# KiCad board Scopefun_v2.kicad_pcb (continued)
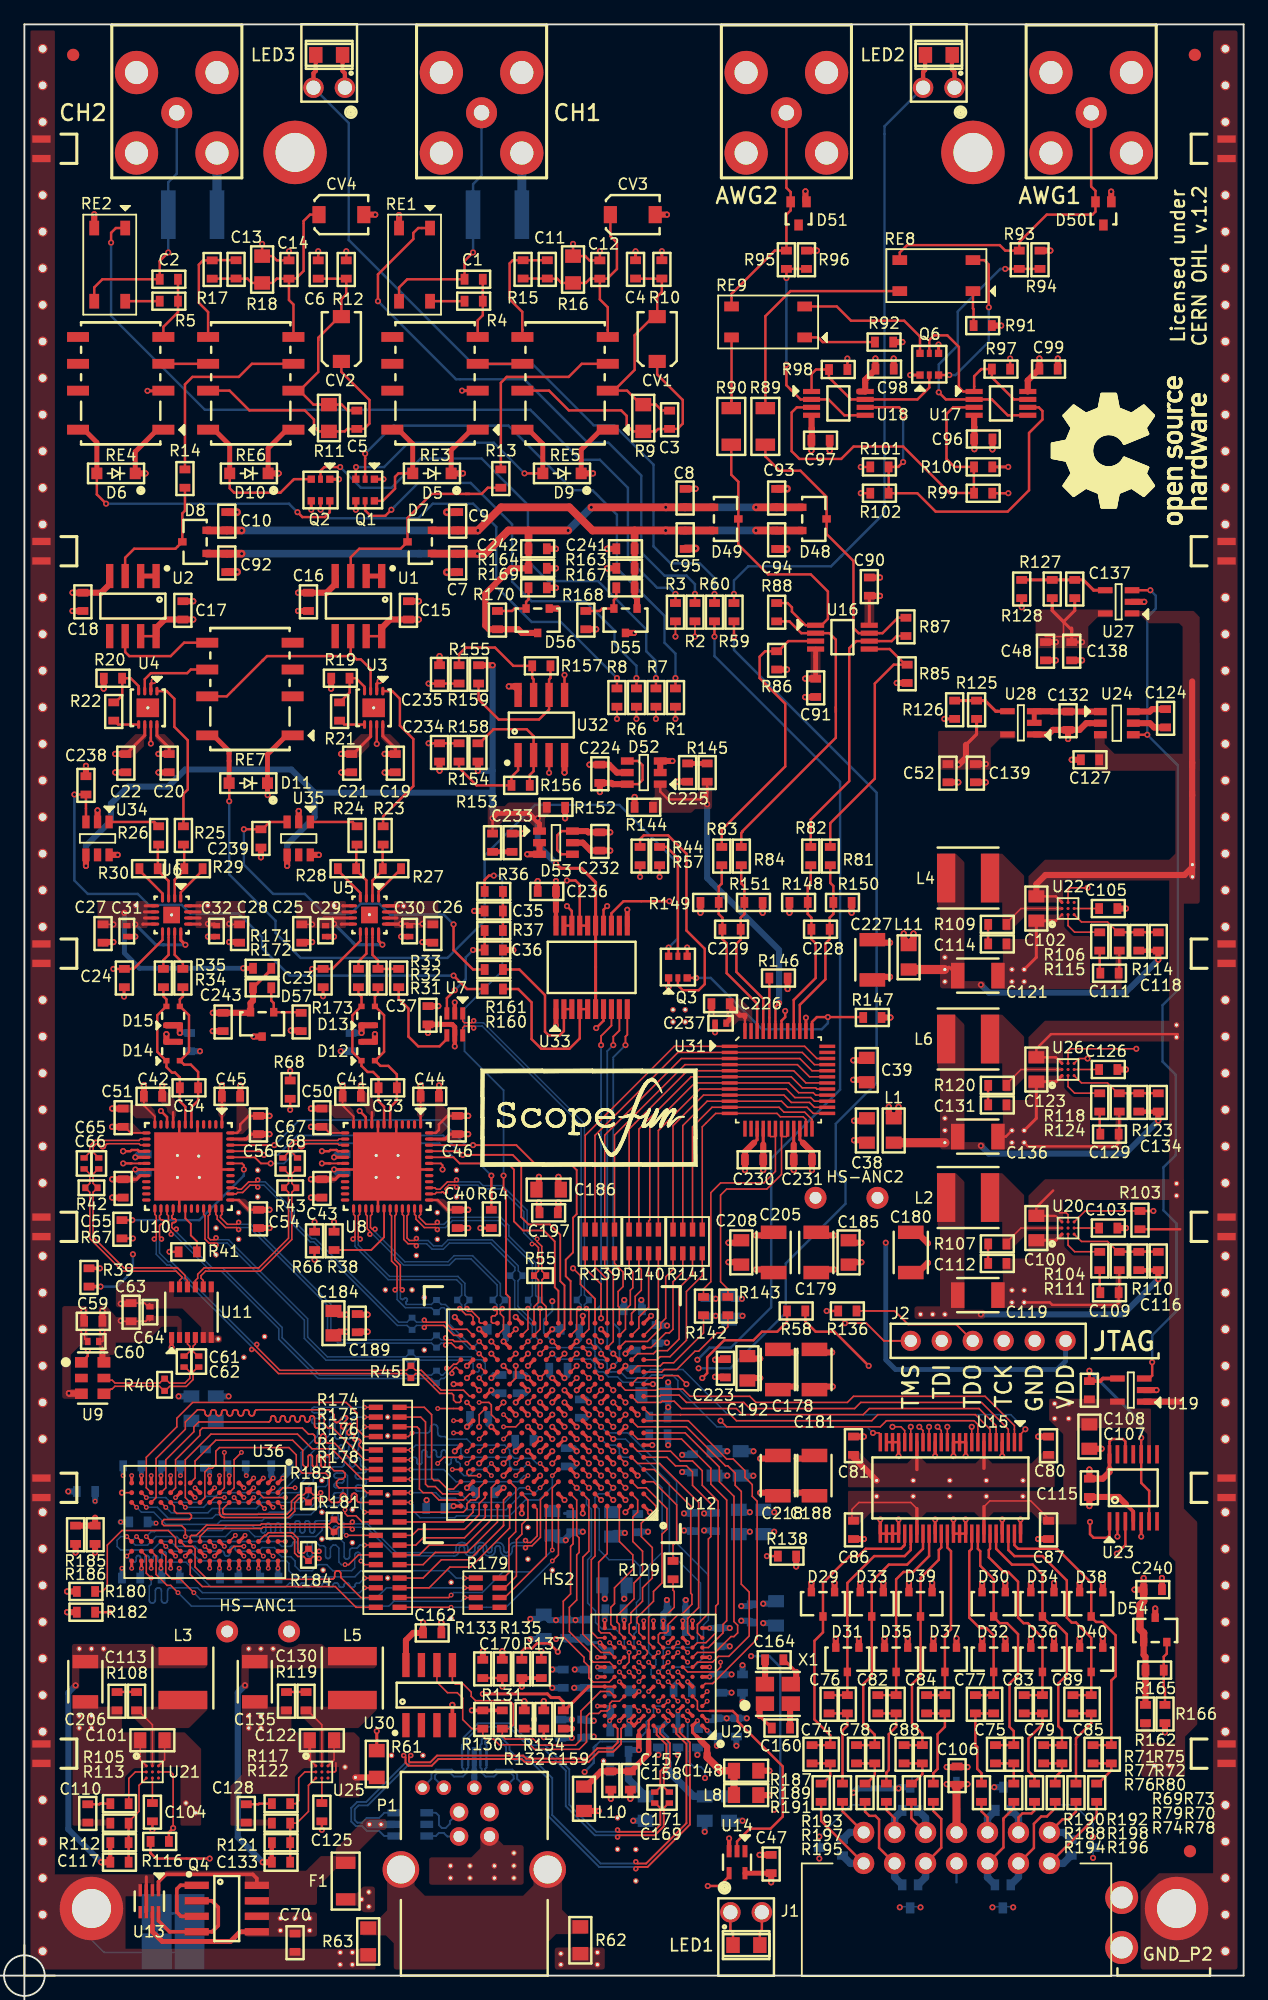
[diagram p0: board, top side]
## Routing (per net, layer and track width the routed paths; a pad name or vN(x,y) marks a point on that pad's centre or on a via; arc(x,y) is an arc through that point) (continued)
+1V5: length 41
  Top w0.25: U36.B2 v2(20.4,40) ; U36.A8 v2(21.4,34.8) ; U36.F1 v2(16.8,41) ; U12.J2 v1(50.3,46) ; U12.F1 v1(51.5,43.5) ; U36.C9 v2(19.2,33.4) ; U36.N9 v2(11.2,33.4) ; U36.N1 v2(11.2,41) ; U36.G7 v2(16.4,35.2) ; U36.A1 v2(21.2,40.8) ; U36.H2 v2(15.6,40) ; U12.D7 v1(45.3,41) ; v2(18.4,33.4) U36.D9 ; U36.R9 v2(9.6,33.4) ; U12.E4 v1(48.3,42) ; U36.D2 v2(18.8,40) ; U36.K8 v2(13.2,34.4) ; U36.C1 v2(19.6,40.8) ; U36.R1 v2(9.6,41) ; U12.B3 v1(49.3,39) ; v1(45.8,37.9) U12.A6 ; v2(15.2,33.4) U36.H9 ; v2(17.6,33.4) U36.E9 ; U36.K2 v2(14,39.2)
  Top w0.35: 7.04,9.3 7.04,10.9
  Top w0.5: 7.04,9.3 v1(6.3,9.3) ; 5.8,35.3 v1(5.8,34.7)
  Bottom w0.25: 45.1,37.86 45.06,37.9 44.3,37.9
  Bottom w0.4: v2(17.6,33.4) 17.6,32.65 ; v2(9.6,41) C249.1 ; 19.35,32.7 19.2,32.85 v2(19.2,33.4) ; 9.5,32.7 9.6,32.8 v2(9.6,33.4) ; v2(11.2,41) 11.2,41.7 C248.1 ; 11.25,32.7 11.2,32.75 v2(11.2,33.4) ; C247.1 16.8,41.65 v2(16.8,41)
  Bottom w0.5: v2(21.2,40.8) 21.75,41.35 C246.1 ; v1(4.2,23.8) 3.6,23.2 3.6,12 v1(6.3,9.3)
+1V8: length 140.9
  Top w0.127: U29.H4 v2(53.6,26.5)
  Top w0.15: U12.M10 v1(42.3,49) U12.M9 ; U12.M11 v1(41.3,49)
  Top w0.2: U10.37 17.6,63.6 18.4,62.8 C54.1 ; 9,65.3 C55.1 ; 37.72,25.9 R133.1 ; v1(8.9,60.45) R67.2 ; U8.37 33.9,63.6 34.7,62.8 C40.1 ; R66.2 v1(23.8,61.8)
  Top w0.25: U10.20 9.5,65.6 9.2,65.3 8.74,65.3 ; U12.J12 v1(40.3,46) ; U12.J10 v1(42.3,46) ; U12.L6 v1(45.3,48) ; U12.B13 v1(39.3,40) ; U29.L9 v2(49.2,29.15) ; U29.C11 v2(47,22.1) ; U12.G8 v1(43.3,45) ; U12.C10 v1(42.3,41) ; U12.M13 v1(38.3,49) ; U12.T11 v1(40.3,54) ; U12.N10 v1(41.3,50) ; 25.04,65.3 25.5,65.3 25.8,65.6 U8.20 ; U12.P7 v1(45.3,52) ; v2(56.2,24.5) U29.F1 56.1,24.5 ; U29.H11 47,26.1 v2(47,26.11) ; U29.B1 v2(56,20.9) ; U12.R14 v1(37.3,53) ; U12.L16 v1(35.2,48.5) ; U12.A16 v1(35.2,38.5) ; U12.E14 v1(37.3,42) ; U12.H15 v1(36.3,45) ; U29.E3 v2(53.6,24.1) ; U12.G10 v1(41.3,45) ; U12.L10 v1(41.3,49) ; U12.K11 v1(40.3,47) ; R64.1 v1(37.4,61.3)
  Top w0.28: U15.7 78.7,41.6 ; U15.18 73.2,41.5
  Top w0.3: 5.35,56.5 v1(6.25,56.5) ; R131.1 R130.1 v1(36.7,21.75) ; R137.1 R135.1
  Top w0.35: 91.4,70.84 93,70.84
  Top w0.5: v1(66.4,60.7) 65.35,60.7 65.1,60.95 ; v1(68.65,60.1) 67.95,60.1 67.75,60.3 ; v1(7.2,65.3) C55.1 8.74,65.3 ; C162.1 31.9,28.1 31.3,27.5 U30.8 ; 43.8,64.65 C186.1 ; v1(23.5,65.3) C43.1 25.04,65.3 ; C54.1 v1(20.1,62.8) ; 25.5,54.5 25.8,54.2 v1(26.4,54.2) ; 27.45,54.25 27.5,54.2 v1(28.15,54.2) ; v1(43.8,65.5) 43.8,64.8 ; VIA#99.1 68,42.5 C81.1 ; L1.1 71.45,68.3 ; v1(43.8,63.4) 43.8,62.7 ; C40.1 v1(36.4,62.8) ; 73.25,60.9 v1(74.1,60.05) ; v1(63.3,33.55) R138.1 ; C180.1 73.15,60.95 ; v1(40.8,23.7) R135.1 ; 37.61,25.9 37.61,26.59 ; v1(47.1,13.5) L10.1 ; 93,70.84 v1(93,70.1) ; 32.7,28.35 v1(32.7,28.95)
  Top w0.75: L1.1 VIA#110.1
  Bottom w0.2: v1(8.9,59.15) 8.9,57.8 7.6,56.5 v1(6.25,56.5)
  Bottom w0.25: 57,24.5 C167.1
  Bottom w0.4: C172.1 53.25,23.75 v2(53.6,24.1) ; J2.6 85.4,50.4 84.7,49.7 71.45,49.7 70.65,50.5 v1(70.65,60.1) ; v2(56,20.9) 56.6,20.9 C174.1
  Bottom w0.45: C167.1 56.4,24.7 v2(56.2,24.5)
  Bottom w0.5: v1(35.2,38.5) 34.8,38.5 34.6,38.3 ; v1(61.5,38) 60.8,38 C183.1 ; 37.85,52.9 37.75,53 v1(37.3,53) ; 45.9,21 46,20.9 v1(46.7,20.9) ; v1(39.3,40) 39,40 38.6,39.6 ; v1(41.3,49) 41.05,49.25 C202.1 ; v1(93,70.1) 90.3,67.4 79.1,67.4 v1(78.45,68.05) ; v1(60.6,28.9) 61.45,28.9 C177.1 ; 56.45,37.95 56.4,37.9 v1(55.75,37.9) ; C175.1 v1(44.9,21) ; v1(59.5,38) 58.8,38 ; C182.1 49.2,31.8 v1(49.2,30.9) ; C167.1 v1(58,24.7) ; 54.8,37.9 v1(54.1,37.9) ; v1(58.9,25.45) C166.1 ; v1(43.3,25.1) C163.1 ; C165.1 v1(45.14,25.1) ; C174.1 v1(57.6,21.1) C173.1 v1(59.25,21.1) ; v1(36.3,45) 36.55,45.25 36.55,45.7 ; 49.2,29.85 49.15,29.9 ; C199.1 45.5,52.2 v1(45.3,52) ; C161.1 49.2,29.95 v2(49.2,29.15) ; v1(38.3,49) 38.55,49.25 C191.1 ; C168.1 59.55,29.1 v1(58.8,29.1)
  vias: v1(37.6,26.6)
+1V8_VA: length 31.3
  Top w0.15: C51.1 8.23,69.6 8.73,69.1 U10.13 ; C50.1 24.53,69.6 25.03,69.1 U8.13 ; 32.5,70.8 C44.1
  Top w0.2: 12.2,70.8 U10.9 ; 28.5,70.8 U8.9 ; U8.1 32.5,70.8 ; U10.1 C45.1
  Top w0.25: C56.1 18.61,69 18.21,68.6 U10.47 ; U10.17 v1(9.1,67.1) ; C46.1 34.91,69 34.51,68.6 U8.47 ; U8.17 v1(25.4,67.1)
  Top w0.5: v1(68.05,70.1) 68.75,70.1 ; 69.05,70.1 69.25,70.3 ; C45.1 v1(16.2,73) ; C56.1 v1(20.1,69) ; v1(11.3,73) C42.1 11.3,71.97 ; C51.1 v1(7.2,69.6) ; C50.1 v1(23.5,69.6) ; v1(70.9,71.25) 70.9,70.75 71.3,70.35 71.7,70.75 v1(71.7,71.25) ; C39.1 68.89,73.45 v1(67.99,73.45) ; C44.1 v1(32.5,73) ; v1(27.6,73) C41.1 27.6,71.97 ; C46.1 v1(36.4,69)
  Bottom w0.5: v1(9.1,67.1) 9.35,67.35 C57.1 ; C49.1 25.65,67.35 v1(25.4,67.1)
+2.88V: length 64.5
  Top w0.127: 61.7,118.5 61.65,118.55
  Top w0.5: D55.1 50.25,112.96 50.05,113.16 R167.1 R163.1 C241.1 50.05,117.89
  Top w0.635: 50.05,117.89 50.05,118.5 ; 50.05,118.5 46.6,118.5 44.7,120.4 39.1,120.4 v1(37.2,118.5) ; 50.05,118.5 v1(52.6,118.5) 56.5,118.5 ; D48.2 61.7,118.5 ; 33.46,118.5 37.16,118.5 ; v1(60,118.5) 61.7,118.5 ; 16.6,118.5 15.01,118.5 ; v1(17.82,118.5) 16.62,118.5
  Bottom w0.635: v1(37.2,118.5) v1(17.82,118.5) ; v1(52.6,118.5) v1(60,118.5)
+3.3V_PD: length 19.3
  Top w0.2: 91.85,24.95 R165.1
  Top w0.5: v1(72.55,32.2) 72.55,31.6 ; v1(86.55,32.2) 86.55,31.6 ; v1(74.55,27.65) 74.55,27.05 ; v1(68.55,32.2) 68.55,31.6 ; v1(78.55,32.2) 78.55,31.6 ; 78.55,27.05 78.56,27.06 v1(78.56,27.65) ; v1(64.55,32.2) 64.55,31.6 ; v1(82.55,27.65) 82.55,27.05 ; 91.95,24.1 R165.1 91.95,26.15 91.8,26.3 D54.1 ; 91.95,24.1 R162.1 ; 91.95,24.1 91.95,23.65 ; v1(66.55,27.65) 66.55,27.05 ; v1(82.55,32.2) 82.55,31.6 ; v1(70.55,27.65) 70.55,27.05 ; v1(91.05,31.65) C240.1 v1(91.8,32.6) ; v1(86.55,27.65) 86.55,27.05
  Top w0.6: D54.1 91.8,28.1 91.5,28.4 91.5,30.4 91.8,30.7 C240.1
+3V3: length 55.3
  Top w0.13: v1(6.4,52.8) 6.45,52.75 6.45,52.05 6.41,52 6.05,52 ; 10.25,53.7 10.3,53.75 C64.1 10.25,53.95 9.95,53.65 C63.1 7.95,53.65 v1(7.9,53.7) ; 6.4,51 6.4,51.56
  Top w0.2: U23.14 89,43.8 89.2,44 90.1,44 90.3,43.8 U23.12
  Top w0.25: U12.M3 v1(49.3,50) ; U12.R4 v1(47.3,53) ; 75.85,82.7 C121.1 ; U12.T1 v1(51.4,54.1)
  Top w0.3: 88.45,40.75 87.6,40.75 ; 89,41.55 U23.14 89,42.1
  Top w0.35: 91.4,84.04 93,84.04 ; 35.3,77 v1(35.3,76.2)
  Top w0.4: 35.08,78 35.3,77.78 U7.5 ; 35.08,78 34.9,78 ; 35.08,78 34,78 ; U14.5 C47.1
  Top w0.45: C37.2 34,78
  Top w0.5: 93,84.04 v1(93,83.3) ; C47.1 v1(61.25,7.65) ; v1(6.4,54.5) 6.4,53.8 ; 33.1,77.9 v1(33.1,77.3) ; v1(57.75,58.5) 58.45,58.5 58.65,58.3 ; v1(87.35,41.5) C115.1 88.45,40.75 89,41.3 89,41.55 ; 61.3,57.65 61.05,57.9 v1(60,57.9) ; v1(6.4,51.1) 6.4,50.41 6.52,50.29
  Top w0.75: L11.2 75.47,82.5
  Bottom w0.5: v1(52.72,53.3) 52.05,53.3 52,53.35 ; C211.1 58.1,54.1 v1(58.9,54.1) 58.15,54.1 ; v1(78.45,81.25) 79.1,80.6 90.3,80.6 v1(93,83.3) ; v1(50.6,55.4) 50.6,54.75 50.65,54.7 ; 58.85,54.1 58.25,54.1 ; v1(49.3,50) 49.55,49.75 C219.1 ; v1(56.7,54.1) 56.05,54.1 56,54.05
+3V3_VA: length 25.4
  Top w0.127: U31.42 62.1,77.9
  Top w0.2: U33.7 47.5,78.3 v1(46.9,77.7) ; U31.48 59.1,78.6 ; U33.14 47.5,87.4 v1(47.8,87.7) ; v1(62.4,79.1) 62.4,78.6 62.1,78.3 62.1,77.9 ; v1(57.9,78.85) 57.9,79.65
  Top w0.25: 60.6,68.15 U31.16 ; U31.22 63.6,68.55 63.9,68.25
  Top w0.35: 43.6,87.3 U33.20
  Top w0.4: C226.1 57.85,79.57 58.67,78.75 59.1,78.75 59.1,78.6 ; v1(57.9,78.85) 57.9,78.45 C237.1
  Top w0.5: v1(72.12,85.45) 72.12,85.05 72.53,84.65 72.92,85.05 v1(72.92,85.45) ; v1(71,84.7) 69.95,84.7 69.7,84.95 ; 63.9,68.25 64.6,67.55 ; 64.6,67.55 63.85,68.3 ; 64.6,67.55 C231.1 ; 43.6,89.05 v1(43.6,89.75) ; C230.1 60.6,68.15 ; C236.1 43.6,87.3 ; 60.6,66.75 v1(60.6,66.05) ; 64.6,66.75 v1(64.6,66.05) ; 70.43,78.57 v1(71.03,78.57)
+VCC_DIG: length 26.7
  Top w0.127: 73.2,38.3 72.7,38.8 68.45,38.8 67.88,38.23 67.88,37.08 ; 78.7,38.45 79.18,38.93 82.54,38.93 84.39,37.08 ; 84.02,37.28 83.89,37.28
  Top w0.2: 76.45,15.6 C106.1
  Top w0.28: 73.2,38.3 U15.31 ; U15.42 78.7,38.45
  Top w0.5: v1(75.65,15.7) 76.3,15.7 ; v1(77.35,15.7) 76.7,15.7
  Top w0.653: J1.7 76.45,15.4
  Bottom w0.5: 76.45,13.53 76.45,11.74
  Bottom w0.6: J1.7 76.45,13.63 D41.1
+VCC_USB_P: length 87.2
  Top w0.127: 25.55,17.45 25.55,16.8 25.45,16.7 U25.B3 ; C122.1 25.4,17.7 U25.A3 ; 84.5,62.3 84.6,62.3 U20.A3 ; C101.1 11.5,17.7 U21.A3 ; 84.9,62.55 85.45,62.55 85.6,62.4 U20.B3
  Top w0.2: R116.1 10.35,10.05 10.8,9.6 v1(15.2,9.6) ; C102.1 84.6,88.5 U22.A3 ; 84.38,64.38 83,63 C100.1 84.5,62.3 ; 94.6,77.2 84.2,77.2 83,76 C123.1 84.6,75.3 U26.A3 ; R103.1 94.8,61.2 ; 91.85,20.7 91.72,20.7
  Top w0.3: U13.7 10.5,4.1
  Top w0.4: Q4.5 17.7,3.59 16.91,2.8 11.3,2.8 10.5,3.6 10.5,4.1 ; Q4.5 18.34,3.59 18.34,3.6 ; Q4.5 18.49,3.59
  Top w0.5: U19.1 94.86,47.06 ; C102.1 83,89.5 83.75,90.25 95.15,90.25 95.78,90.88 95.78,91.2 ; 95.78,99.5 95.78,99.07 ; 95.78,99.5 95.78,96.75 ; 95.78,99.5 95.78,106.12 ; 95.78,96.75 95.78,97.07 ; 95.78,96.75 95.78,90.2 ; 28.75,16.25 VIA#145.1
-2.88V: length 72.8
  Top w0.127: 54.19,120.4 54.19,120.4 ; 61.7,120.4 61.7,120.4 ; 63.79,120.4 D48.1
  Top w0.165: 14.97,116.6 D8.1
  Top w0.5: 41.35,117.89 C242.2 R164.1 39.9,115.4 37.8,113.3 37.8,110.7 38.1,110.4 R170.2 40.5,110.4 40.8,110.1 D56.3
  Top w0.635: 41.35,118.5 v1(44.6,118.5) ; 41.35,118.5 41.35,117.89 ; 41.35,118.5 39.7,118.5 37.8,116.6 v1(37.16,116.6) 35.54,116.6 ; 63.79,120.4 v1(60,120.4) ; 54.19,120.4 v1(52.6,120.4) v1(46.5,120.4) ; v1(17.82,116.6) 16.62,116.6 ; 16.6,116.6 14.97,116.6 ; 33.42,116.6 35.52,116.6 ; D49.1 54.19,120.4
  Bottom w0.635: v1(37.16,116.6) v1(17.82,116.6) ; v1(46.5,120.4) v1(44.6,118.5) ; v1(52.6,120.4) v1(60,120.4)
-5V: length 7
  Top w0.127: U28.3 83.38,103.68
  Top w0.4: U28.3 U28.2
  Top w0.5: C132.1 U24.1 ; C132.1 85.57,103.68 ; C132.1 84.27,103.65 84.25,103.68 U28.3
/USB Port/+VCC_USB_F: length 11.7
  Top w0.3: U13.1 11,7.7 11.6,8.3 18.73,8.3 19.06,7.97 Q4.8
  Bottom w0.6: D16.5 VIA#196.1
  Bottom w0.65: VIA#196.1 VIA#197.1
GND: length 493.4
  Top w0.127: D14.4 11.68,76.58 ; U23.5 91.6,36.6 ; D12.3 28.73,76.58 ; D12.4 27.67,76.58 ; U25.A1 23.4,17.7 ; U21.A1 9.5,17.7 C101.2 ; U23.4 90.95,36.65 ; U22.A1 84.6,86.5
  Top w0.13: v1(4.85,52.8) 4.95,52.7 4.95,52.2 5.15,52 ; 10.25,55.1 10.3,55.05 C64.2 10.15,54.85 9.85,55.15 C63.2
  Top w0.15: C41.2 26.1,71.35 27,70.45 U8.12 ; C42.2 9.8,71.35 10.7,70.45 U10.12
  Top w0.2: C56.2 18.4,70.5 17.7,69.8 17.7,69.35 17.45,69.1 U10.48 ; R111.2 89.8,56.05 C109.2 89.75,55.36 89.8,55.31 89.8,55.2 89.6,55 84.3,55 84.1,55.2 VIA#121.1 ; C125.2 v1(24.4,11.95) ; VIA#125.1 82.3,68 89.5,68 89.7,68.2 89.7,68.31 89.75,68.36 C129.2 89.8,69.05 R124.2 ; U10.19 11.42,66.1 ; R68.2 v1(21.8,74.2) ; U8.29 29,63.82 U8.EP ; R115.2 89.8,82.25 C111.2 ; 54.36,84.3 v1(54.36,84.3) ; 20.68,140.67 20.35,141 R18.2 v1(19.5,142) ; C6.2 v1(24.1,141.4) ; U8.5 30.5,68.88 U8.EP 29,68.88 U8.8 ; 71.3,131.74 C98.2 ; v1(47.2,141.4) C12.2 46.35,140.65 46,141 R16.2 v1(45,142) ; U8.48 33.75,69.1 34,69.35 34,69.8 34.7,70.5 C46.2 ; v1(21.7,141.4) C14.2 20.7,140.65 ; U15.28 U15.27 U15.26 U15.25 ; U8.42 31.78,66.1 U8.EP ; U10.29 12.7,63.82 ; U10.42 15.48,66.1 ; v1(51.55,48.5) U12.L1 ; LED1.1 58.12,3.53 57.91,3.74 SLP1.1 ; R12.2 v1(26.4,141.4) ; U15.23 U15.22 U15.21 ; 89.19,145.49 D50.1 ; R38.2 v1(25.4,61.8) ; R41.2 v1(11.9,59.35) ; U15.10 U15.11 U15.12 ; C104.2 v1(10.5,11.95) ; U10.5 14.2,68.88 U10.EP 12.7,68.88 U10.8 ; v1(68.6,123.71) 69.37,123.71 R101.1 ; VIA#127.1 80.5,68.8 C136.2 ; U15.37 U15.38 U15.39 ; U8.19 27.72,66.1
  Top w0.25: 84.6,86.5 C102.2 83,83.5 VIA#131.1 ; C100.2 84.6,60.3 U20.A1 ; U10.19 v1(9.1,66.1) ; U12.K14 v1(38.3,48) ; U36.L2 v2(12.4,39.2) ; U12.K6 v1(46.3,47) ; U12.N15 v1(36.3,50) ; U29.B4 v2(52.8,21.7) ; U12.J11 v1(41.3,46) ; U29.L11 v2(47.6,29.15) ; VIA#126.1 83,70.3 C123.2 84.6,73.3 U26.A1 ; U12.G7 v1(45.3,44) ; 59.85,68.3 60.1,68.55 U31.15 ; U12.G3 v1(49.3,45) ; U29.B7 v2(50.4,20.9) U29.A8 v2(49.6,20.9) U29.B8 ; U36.D3 v2(18.8,39.2) ; U12.L11 v1(41.3,48) ; 52.29,140.67 52.29,141.37 ; U12.R9 v1(43.3,53) ; U29.L3 v2(54,29.1) ; RE3.2 v1(35.9,129.97) ; U36.J2 v2(14,40) ; U36.M1 v2(12,41) ; U12.A1 v1(51.3,38) ; U31.21 63.1,68.15 ; 15.48,66.1 U10.EP ; 11.42,66.1 U10.EP ; U29.L2 v2(54.8,29.1) ; 74.7,36.86 U15.34 v1(74.7,37.4) ; U36.B1 v2(20.4,40.8) ; U36.J8 v2(14.8,34.4) ; U36.B3 v2(20.4,38.4) ; U12.J9 v1(42.3,47) ; U36.M9 v2(12,33.4) ; v1(10.61,106.15) 10.37,105.92 U4.2 10.37,105.49 ; U3.2 28.9,105.92 v1(29.13,106.15) ; 50.13,140.67 50.13,141.37 ; U12.J8 v1(44.3,46) ; U36.T1 v2(8.8,41) ; U29.E2 v2(54.4,24.1) ; U12.C15 v1(36.3,40) ; U12.F8 v1(44.3,44) ; U12.K4 v1(47.3,47) ; U12.M8 v1(44.3,49) ; U36.P1 v2(10.4,41) ; U29.E6 v2(51.2,23.3) ; U36.B9 v2(20,33.4) ; U12.G9 v1(43.3,44) ; v1(35.3,54) U12.T16 ; 54.36,84.26 54.36,84.26 ; U12.F10 v1(42.3,44) ; 28.81,122.71 v1(29.45,122.71) ; U29.K4 v2(52.8,27.3) ; U12.D2 v1(50.3,41) ; U36.E2 v2(18,39.2) ; v1(40.8,37.9) U12.A11 ; U12.P2 v1(49.3,51) ; U36.E8 v2(18,34.4) ; U12.F6 v1(46.3,43) ; 60.75,23.91 X1.4 ; U36.E7 v2(18.1,36.1) ; U36.P9 v2(10.4,33.4) ; Q6.4 v1(74.98,133.75) ; 23.53,120.84 v1(23.53,120.2) ; U12.T6 v1(45.8,54.1) ; 64.1,77.6 v1(64.1,78.55) ; Q3.4 54.36,84.3 ; U36.D1 v2(18.8,40.8) ; U29.G11 v2(47,25.3) ; U36.E1 v2(18,40) ; U29.L6 v2(51.6,29.1) ; U12.E9 v1(43.3,43) ; 12.7,63.82 U10.EP ; U36.D8 v2(18.8,34.4) ; Q3.1 52.84,81.07 v1(52.84,81.07) ; 23.4,17.7 C122.2 ; v2(16,33.4) U36.G9 ; R126.2 v1(75.45,103.05) ; 27.72,66.1 U8.EP ; 56.1,25.3 U29.G1 v2(56.2,25.3) ; R128.2 v1(81.8,112.2) ; U12.G13 v1(38.3,45) ; v1(10.1,129.95) 11.38,129.95 RE4.2 ; U12.H6 v1(46.3,45) ; v2(16.8,33.4) U36.F9 ; U29.L1 v2(56.2,28.5) ; Q6.1 v1(72.66,131.25) ; U8.19 v1(25.4,66.1) ; 19.87,140.67 19.52,141.02 ; U29.K3 v2(54.4,27.3) ; U36.T9 v2(8.8,33.4) ; 8.17,80.9 v1(8.17,80.28) ; U36.G8 v2(15.6,34.4) ; U12.D12 v1(39.3,41) ; U12.N5 v1(47.3,50) ; U12.K8 v1(43.3,47) ; U12.B8 v1(44.3,39) ; 69.36,123.71 69.37,123.72 ; 79.4,123.72 v1(80.7,123.72) ; U29.B2 v2(54.4,21.7) ; U29.B9 v2(48.8,20.9) ; U12.H7 v1(45.3,45) ; U36.G1 v2(16,41) ; U12.H8 v1(44.3,45) ; U12.J7 v1(44.3,47) ; 35.8,43.5 v1(35.3,43) ; 24.5,80.95 v1(24.5,80.3) ; U23.5 v1(91.6,36) ; U29.D8 v2(50.4,23.3) ; U12.K7 v1(44.3,48) ; U13.3 10,8.1 ; 27.18,120.84 v1(27.18,120.2) ; U12.E7 v1(45.3,42) ; U12.P12 v1(39.3,52) ; U12.C5 v1(47.3,40) ; U29.A1 v2(56,20.1) ; U36.A9 v2(20.8,33.4) ; 25.16,122.7 v1(25.8,122.7)
  Top w0.28: U15.12 v1(76.2,42.6) ; U15.37 76.2,37.4 ; U15.28 71.7,37.4 v1(71.7,37.4) ; v1(77.2,37.4) 77.2,37.4 U15.39 ; U15.4 v1(80.2,42.6) ; v1(80.2,37.4) 80.2,37.4 U15.45 ; U15.48 81.7,37.4 v1(81.7,37.4) ; U15.25 70.2,37.4 v1(70.2,37.4) ; U15.15 74.7,42.6 v1(74.7,42.6) ; U15.10 v1(77.2,42.6) ; v1(71.7,42.6) 71.7,42.6 U15.21
  Top w0.3: 90.35,38.65 90.95,38.05 U23.4 ; U13.6 U13.3 ; 35.1,20.53 35.1,22.19
  Top w0.35: 35.3,79 v1(35.3,79.8) ; LED3.1 26.1,156.18 26.29,155.99 SLP3.1 ; 12.08,52.29 v1(12.08,51.5) ; 76.29,154.91 76.29,156.09 76.08,156.31 76.08,157.58 ; U14.3 v1(57.8,11.25) ; 60.8,23.96 X1.4
  Top w0.4: U33.1 v1(43.6,77.9) ; U33.11 v1(49.45,87.4)
  Top w0.45: v1(9.1,85.2) 8.5,85.2 ; v1(25.4,85.2) 24.8,85.2 ; v1(30.9,85.2) 31.5,85.2 ; C237.2 v1(56.65,77.35) ; v1(15.05,85.2) 15.65,85.2
  Top w0.5: 89.81,87.5 v1(90.35,87.5) ; 89.81,61.3 v1(90.35,61.3) ; v1(60.35,39.6) 61.4,39.6 ; 61.55,39.6 C218.2 ; 64.95,51.35 65.2,51.1 v1(66.25,51.1) ; v1(16.8,84.75) 17.4,84.75 17.5,84.65 ; 69.05,68.5 69.25,68.3 ; v1(68.05,68.5) 68.75,68.5 ; v1(92.75,30.1) 92.75,29.5 ; v1(66.4,57.9) 65.35,57.9 65.1,57.65 ; v1(68.65,58.5) 67.95,58.5 67.75,58.3 ; 69.7,81.65 69.95,81.9 v1(71,81.9) ; 51.96,144.4 v1(52.7,144.4) ; v1(7.3,84.75) 6.7,84.75 ; 6.55,84.75 6.45,84.65 ; v1(11.65,77.2) D14.4 D14.3 ; 33.35,84.65 33.25,84.75 v1(32.65,84.75) ; v1(46.35,99.3) C224.2 47.95,99.3 48.6,98.65 D52.5 ; v1(53.15,99.6) D52.3 D52.2 ; 50.05,95.75 v1(50.05,96.65) ; v1(53.5,97.9) C225.2 ; 89.14,145.44 v1(89.14,146.29) ; 17.71,72.1 v1(17.71,73) ; C56.2 v1(20.1,70.5) ; C42.2 v1(9.8,73) ; C51.2 v1(7.2,71.1) ; C55.2 v1(7.2,63.8) ; 30.46,98.65 v1(29.55,98.65) ; v1(23.6,84.75) 22.85,84.75 ; C127.2 v1(85.9,99.7) ; R180.2 v1(3.5,31.5) ; C139.2 v1(78.85,97.85) ; C54.2 v1(20.1,61.3) ; v1(61.1,16.8) C148.2 ; R182.2 v1(3.5,29.8) ; 90.35,38.65 89.75,39.25 C115.2 v1(87.35,38.5) ; 4.2,35.3 v1(4.2,34.7) ; C132.2 86.54,102.15 87.09,102.7 U24.2 ; C132.2 84.35,102.15 83.98,101.78 U28.1 ; C132.2 v1(85.6,101.4) ; 59.5,50.6 C192.2 ; 23.15,111.9 v1(22.45,111.9) ; 42.1,89.05 v1(42.1,89.75) ; 22.65,77.5 R173.2 ; 11.89,98.66 v1(11,98.66) ; v1(70.45,32.2) 70.45,31.6 ; 34.2,28.37 v1(34.2,28.95) ; C158.2 v1(48.1,14.5) ; v1(63.25,51.1) 62.2,51.1 61.95,51.35 ; 57.35,50.55 57.3,50.5 v1(56.65,50.5) ; 42.95,113.8 v1(43.6,113.8) ; 33.25,79.5 v1(33.95,79.5) ; v1(84.45,27.65) 84.45,27.05 ; 64.9,104.84 v1(64.04,104.84) ; 42.2,64.65 C186.2 ; R152.2 v1(44.35,94.9) ; C159.2 v1(44.9,20.25) ; 43.1,112.1 v1(43.75,112.1) ; C230.2 59.1,67.55 59.85,68.3 ; v1(66.45,32.2) 66.45,31.6 ; 59.1,66.75 v1(59.1,66.05) ; 73.35,57.7 v1(74.1,58.45) ; C35.2 v1(36.9,87.3) ; 56.35,79.55 v1(56.35,78.85) ; R132.2 v1(41,22.5) ; v1(68.85,44.2) 68,44.2 C81.2 ; 87.45,43.2 v1(88.35,43.2) ; 60.55,87.85 v1(60.55,87.15) ; 13.15,112.7 v1(13.85,112.7) ; U9.3 3.69,47.71 v1(3.65,47.75) 4.43,47.75 ; 4.65,111.9 v1(3.95,111.9) ; 61.3,60.95 61.05,60.7 v1(60,60.7) ; 27.45,52.75 27.5,52.8 v1(28.15,52.8) ; v1(60.35,50.6) 59.65,50.6 ; 80.45,27.05 80.46,27.06 v1(80.46,27.65) ; 42.95,117 v1(43.6,117) ; R134.2 v1(42.6,22.5) ; 69.41,114.64 v1(70.18,114.64) ; v1(15.45,77.45) 16.15,77.45 ; 60.75,23.91 v1(60.75,24.9) C164.2 ; v1(75.65,17.1) 76.3,17.1 ; R146.1 v1(62.6,80.9) ; C40.2 v1(36.4,61.3) ; C43.2 v1(23.5,63.8) ; C39.2 68.89,75.05 v1(67.99,75.05) ; v1(41.25,91.95) D53.3 D53.2 ; 5.05,98.45 v1(5.05,99.2) ; 58.65,60.3 58.45,60.1 v1(57.75,60.1) ; v1(21.85,77.5) 22.5,77.5 ; v1(28.75,77.2) D12.3 D12.4 ; 31.65,112.7 v1(32.35,112.7) ; v1(40.9,93.65) C233.2 ; C50.2 v1(23.5,71.1) ; v1(83.15,44.2) C80.2 ; D53.5 45.8,92.9 46.45,92.25 C232.2 v1(48.05,92.25) ; D55.3 v1(50,110.1) ; v1(83.15,35.8) C87.2 ; C96.2 v1(79.4,125.15) ; v1(65,141.45) R96.2 ; v1(84.76,132.6) 84.76,131.85 ; C170.2 v1(39.2,26.6) ; 25.16,106.24 v1(25.16,105.53) ; C97.2 v1(66.05,125.05) ; C180.2 73.25,57.65 ; 62.75,87.85 v1(62.75,87.15) ; 8.34,98.66 v1(7.45,98.66) ; 26.89,98.66 v1(26,98.66) ; C48.2 v1(84.6,107.85) ; 35.1,22.19 v1(35.1,22.2) ; 25.5,52.5 25.8,52.8 v1(26.4,52.8) ; v1(77.35,17.1) 76.7,17.1 ; 49.65,15.2 C157.2 v1(49.7,14.5) ; v1(68.45,27.65) 68.45,27.05 ; R94.2 v1(84.15,141.45) ; v1(84.45,32.2) 84.45,31.6 ; v1(92.85,48.01) U19.2 ; 54.22,121.92 v1(55.05,121.92) ; 64.06,145.46 v1(64.06,146.31) ; 62.9,22.26 X1.2 62.8,22.24 v1(62.8,21.3) C160.2 ; v1(74.45,32.2) 74.45,31.6 ; C239.2 v1(19.4,91.7) ; v1(76.45,27.65) 76.45,27.05 ; v1(72.45,27.65) 72.45,27.05 ; v1(93.55,19.95) 93.55,20.65 ; 48.45,117 v1(47.8,117) ; C46.2 v1(36.4,70.5) ; C41.2 v1(26.1,73) ; 64.65,39.35 64.4,39.6 v1(63.35,39.6) ; v1(88.45,27.65) 88.45,27.05 ; 8,55.1 8.65,55.1 ; 72.25,106 v1(71.55,106) ; 19.4,77 v1(18.8,77) ; v1(62.55,107.1) 61.85,107.1 ; C36.2 v1(40.1,84.1) ; 6.5,106.24 v1(6.5,105.53) ; v1(42.2,63.4) 42.2,62.7 ; C47.2 v1(60.3,9.9) ; 63.1,66.75 v1(63.1,66.05) ; RE1.2 v1(30.73,144.37) ; v1(80.45,32.2) 80.45,31.6 ; 35.1,20.53 35.1,20.53 35.1,20 ; 34.01,72.1 v1(34.01,73) ; 55.45,87.85 v1(55.45,87.15) ; 60.7,23.94 X1.4 ; RE2.2 v1(5.73,144.43) ; v1(42.2,65.5) 42.2,64.8 ; U27.2 v1(91.85,112.65) ; v1(88.45,32.2) 88.45,31.6 ; C138.2 v1(86.75,107.85) ; 67.85,87.85 v1(67.85,87.15) ; v1(68.85,35.8) C86.2 ; v1(71.3,132.6) 71.3,131.74 ; 4.85,53.8 v1(4.85,54.5) ; C231.2 63.1,68.15 ; 28.04,144.4 v1(28.77,144.4) ; C52.2 v1(76.6,97.85) ; R168.2 v1(46.9,110.4) ; 89.81,74.3 v1(90.35,74.3) ; C235.2 v1(34.05,108.2) ; C240.2 v1(93.3,32.6) ; C234.2 v1(34.05,98.8)
  Top w0.635: 35.54,115.08 v1(34.65,115.08) ; 16.62,120 17.44,120 ; 61.7,116.98 62.52,116.98 ; 61.73,121.92 v1(62.55,121.92) ; 54.22,117.03 v1(55.05,117.03) ; 16.58,115.1 v1(17.45,115.1) ; 35.54,120 v1(34.65,120)
  Bottom w0.127: 81.05,5.65 81.1,5.7 ; 81.05,5.65 79.45,5.65 ; 81.05,5.65 v1(81.1,5.6) ; v1(65.2,9.6) 65.25,9.65 65.25,11.35 v1(65.2,11.4) 67.8,14 68.8,14 ; 85.1,14 86.1,14 87.65,12.45 v1(87.65,11.35) ; 72.65,15.35 72.8,15.5 72.8,16.4 ; 79.45,5.65 79.4,5.7 ; 79.45,5.65 v1(79.4,5.6) ; v1(73.5,5.6) 73.45,5.65 71.85,5.65 v1(71.8,5.6) ; 80.4,16.4 80.4,15.45 80.3,15.35 ; v1(87.65,11.35) 87.7,11.4 ; v1(87.65,11.35) v1(87.65,9.65) 87.7,9.6
  Bottom w0.13: 13.55,1.9 6.55,1.9 5.5,2.95 MH4.1
  Bottom w0.2: J1.8 76.45,7.65 ; 10.85,1.9 10.85,5.1 13.55,5.1 13.55,1.9
  Bottom w0.25: 49.6,21.75 49.45,21.9
  Bottom w0.4: C154.2 54.25,29.35 v2(54,29.1) 54.25,28.85 C149.2 ; C154.2 54.25,30.7 54.15,30.8 ; C154.2 54.2,29.95 54.2,30.8 ; v2(8,33.4) C252.2 ; 56.5,19.6 v2(56,20.1) ; v2(16,33.4) 16,32.75 ; 8.1,41.7 v2(8.1,41) ; C153.2 47.2,25.1 v2(47,25.3) ; v2(20.8,33.4) 20.8,32.75 ; v2(54.4,24.1) 54.75,23.75 C172.2 ; v2(12.7,33.4) 12.7,32.75 12.75,32.7 ; v2(18.2,41) 18.2,41.65 ; v2(12.8,41) C248.2 ; D17.3 D17.8 36.9,16.85
  Bottom w0.45: C167.2 v1(58,23.2) ; v2(50.4,23.3) 49.7,23.3 ; 49.6,20.24 v2(49.6,20.9) 49.6,21.75
  Bottom w0.5: v1(57.85,28.5) C145.2 v2(56.2,28.5) ; C57.2 9.35,65.85 v1(9.1,66.1) ; v1(41.3,48) 41.05,47.75 C202.2 ; 15.85,47.5 v1(16.75,47.5) ; v1(25.4,66.1) 25.65,65.85 C49.2 ; 43.85,52.9 43.75,53 v1(43.3,53) ; 44.6,41.74 45.04,41.74 v1(45.3,42) ; v1(39.3,52) 39.5,52.2 C195.2 ; v1(36.3,40) 36.7,40 37.1,39.6 ; 54.8,36.5 v1(54.1,36.5) ; 4.2,39.7 v1(3.6,39.7) ; v2(47.6,29.15) 47.6,29.95 C161.2 ; 47.6,29.85 47.65,29.9 ; C219.2 49.55,51.25 v1(49.3,51) ; 56.45,36.45 56.4,36.5 v1(55.75,36.5) ; 38.05,45.7 38.05,45.25 v1(38.3,45) ; v1(42.3,44) 41.95,44 41.75,43.8 ; v1(45.1,23.6) C165.2 ; v1(49.2,55.4) 49.2,54.75 49.15,54.7 ; C207.2 44.55,49.25 v1(44.3,49) ; v1(53.6,18.1) C147.2 ; v2(20.4,40.8) 20.25,40.95 C246.2 ; v1(52.7,51.9) 52.05,51.9 52,51.85 ; 56.5,19.6 C174.2 v1(56.8,18.85) ; C211.2 58.1,55.5 v1(58.85,55.5) 58.25,55.5 ; C191.2 38.55,47.75 v1(38.3,48) ; v1(51.15,36.4) 50.35,36.4 C222.2 ; v1(49.25,36.3) 48.45,36.3 48.25,36.1 ; 45.05,36.3 45.15,36.4 v1(45.8,36.4) ; C175.2 v1(44.9,19.5) ; v1(52.8,43.5) 52.8,44.15 52.75,44.2 ; v1(53.95,41.3) 54.75,41.3 C204.2 ; C58.2 v1(14.4,75.8) ; 56.75,41 v1(57.65,41) ; C213.2 46.05,47.25 v1(46.3,47) ; D44.3 71.8,15.45 v1(71.7,15.35) 68.35,15.35 v1(68,15) ; v1(58.4,18.85) C173.2 ; v1(41.5,29.25) 42.25,29.25 C156.2 43.05,29.15 v1(43.6,29.15) 44.35,29.15 C142.2 44.45,29.15 v1(45.2,29.15) 45.95,29.15 C144.2 ; C177.2 61.45,30.5 v1(60.6,30.5) ; v1(43.3,23.6) C163.2 ; D43.3 v1(79.55,15.45) ; 20.8,32.75 20.85,32.7 ; 43.5,36.3 C209.2 43.7,35.7 44.3,35.7 44.3,35.75 C220.2 ; C168.2 59.55,30.3 v1(58.8,30.3) ; 18.2,41.65 18.15,41.7 ; 56,55.55 56.05,55.5 v1(56.7,55.5) ; C152.2 v1(55.8,11.8) ; 52.8,47.6 52.8,48.5 ; C182.2 47.6,31.8 v1(47.6,30.9) ; P1.7 36.9,16.85 ; 49.6,20.09 49.5,20.19 ; v1(61.5,36.4) 60.8,36.4 C183.2 ; v1(59.5,36.4) 58.8,36.4 ; C215.2 52.8,45.85 v1(52.8,46.6) 52.8,47.4 C212.2 ; v1(46.7,19.6) 45.9,19.6 C176.2 ; v1(59.79,40.99) 58.76,40.99 C200.2 ; v1(52,18.1) C155.2 ; v1(58.9,22.45) C166.2 ; C69.2 v1(25.95,75.8) ; C146.2 48.05,18.35 ; 13.55,47.5 v1(12.65,47.5) ; 8.5,37.2 v2(7.9,37.2) ; v1(55.2,18.1) C150.2 ; v1(32.99,38.99) 32.99,38.31
  Bottom w0.75: CH1.2 40.8,144.4 ; CH2.2 15.8,144.4
  vias: v1(7.9,55.1) v1(17.45,120) v1(44.4,35.7) v1(50.13,141.4) v1(52.29,141.4) v1(52.8,48.65) v1(54.25,30.8) v1(62.55,116.98) v1(76.2,37.4)
-Va: length 50.9
  Top w0.127: 31.83,86.25 v1(32.65,86.25) ; v1(30.9,86.25) 31.72,86.25 ; 27,100.18 26.87,100.18 ; 77.23,99.81 77.23,100.93 ; 26.97,100.18 26.85,100.18 ; 64.89,106.37 64.9,106.36 ; 8.35,100.18 8.32,100.18
  Top w0.13: C28.2 16.8,86.2 ; C32.1 15.05,86.1
  Top w0.2: v1(68.6,121.56) R102.2 ; v1(30.9,86.25) 31.45,86.25 C30.1 ; v1(15.05,86.25) 15.6,86.25 C32.1
  Top w0.25: R125.1 78.1,101.8 77.23,100.93 78.06,101.76 ; 30.55,86.22 U5.13 30.68,86.22 30.69,86.21 ; U6.13 14.4,86.22 14.42,86.21 ; U4.6 9.87,101.71 8.35,100.18 ; 14.42,87.73 14.41,87.72 U6.16 ; U6.14 14.41,86.72 ; U5.14 30.56,86.72 ; U3.6 28.4,101.61 26.97,100.18 ; 30.68,87.72 U5.16 30.55,87.72 30.56,87.73 ; U5.15 30.56,87.22 ; U6.15 14.41,87.22
  Top w0.4: U16.4 64.89,106.37
  Top w0.5: 26.87,100.18 v1(25.98,100.18) ; U34.2 v1(6,95.55) ; C139.1 v1(78.85,99.35) ; 23.15,113.4 v1(22.45,113.4) ; 44.31,100.09 44.31,98.66 v1(44.3,98.65) ; 76.65,99.3 77.23,99.88 77.23,100.93 ; 64.9,106.36 v1(64.04,106.36) ; 42.95,115.4 v1(43.6,115.4) ; 22.5,94.55 v1(22.5,95.5) ; 8.34,100.18 v1(7.45,100.18) ; C16.1 24.8,113.4 25.49,114.09 25.49,114.77 ; C18.1 6.3,113.4 7,114.09 7,114.77 ; 64.56,127.88 64.56,126.86 64.58,126.84 64.58,125.89 ; 77.92,126.02 77.92,126.96 77.9,126.98 77.9,127.88 ; 77.92,125.8 v1(77.92,125.17) ; 4.65,113.4 v1(3.95,113.4) ; v1(64.55,125.05) C97.1
  vias: v1(16.8,86.25) v1(76.6,99.3)
/ADC/CH1+: length 13.4
  Top w0.127: 27.62,75.03 D12.1 ; D13.4 27.62,79.48 ; 27.65,80.8 R33.1
  Top w0.2: 27.62,75.03 26.9,75.75 26.9,78.75 27.62,79.48 ; R33.1 27.4,80.5 27.65,80.25 D13.4 ; D12.1 27.65,74.6 28.15,74.1 28.6,74.1 29.05,73.65 C33.2 29.05,71.7 29.5,71.25 U8.7
/ADC/CH1-: length 13.3
  Top w0.127: 28.77,75.03 D12.2 ; D13.3 28.77,79.48
  Top w0.2: 28.77,79.48 29.5,78.75 29.5,75.75 28.77,75.03 29.2,74.6 29.85,74.6 30.55,73.9 C33.1 30.55,71.75 30,71.2 U8.6 ; D13.3 28.75,80.28 29,80.53 R32.1